# Altium PCB USB_DAQ.PcbDoc (part 1 of 2)
Units mm, origin at the board's own origin, x right, y up, seen from the top; angles counter-clockwise.
Board outline 56.61 x 82.66 mm, 2 copper layers (Top Layer, Bottom Layer), stack 1.571 mm thick; 167 components, 107 nets, 512 pads, 180 vias.
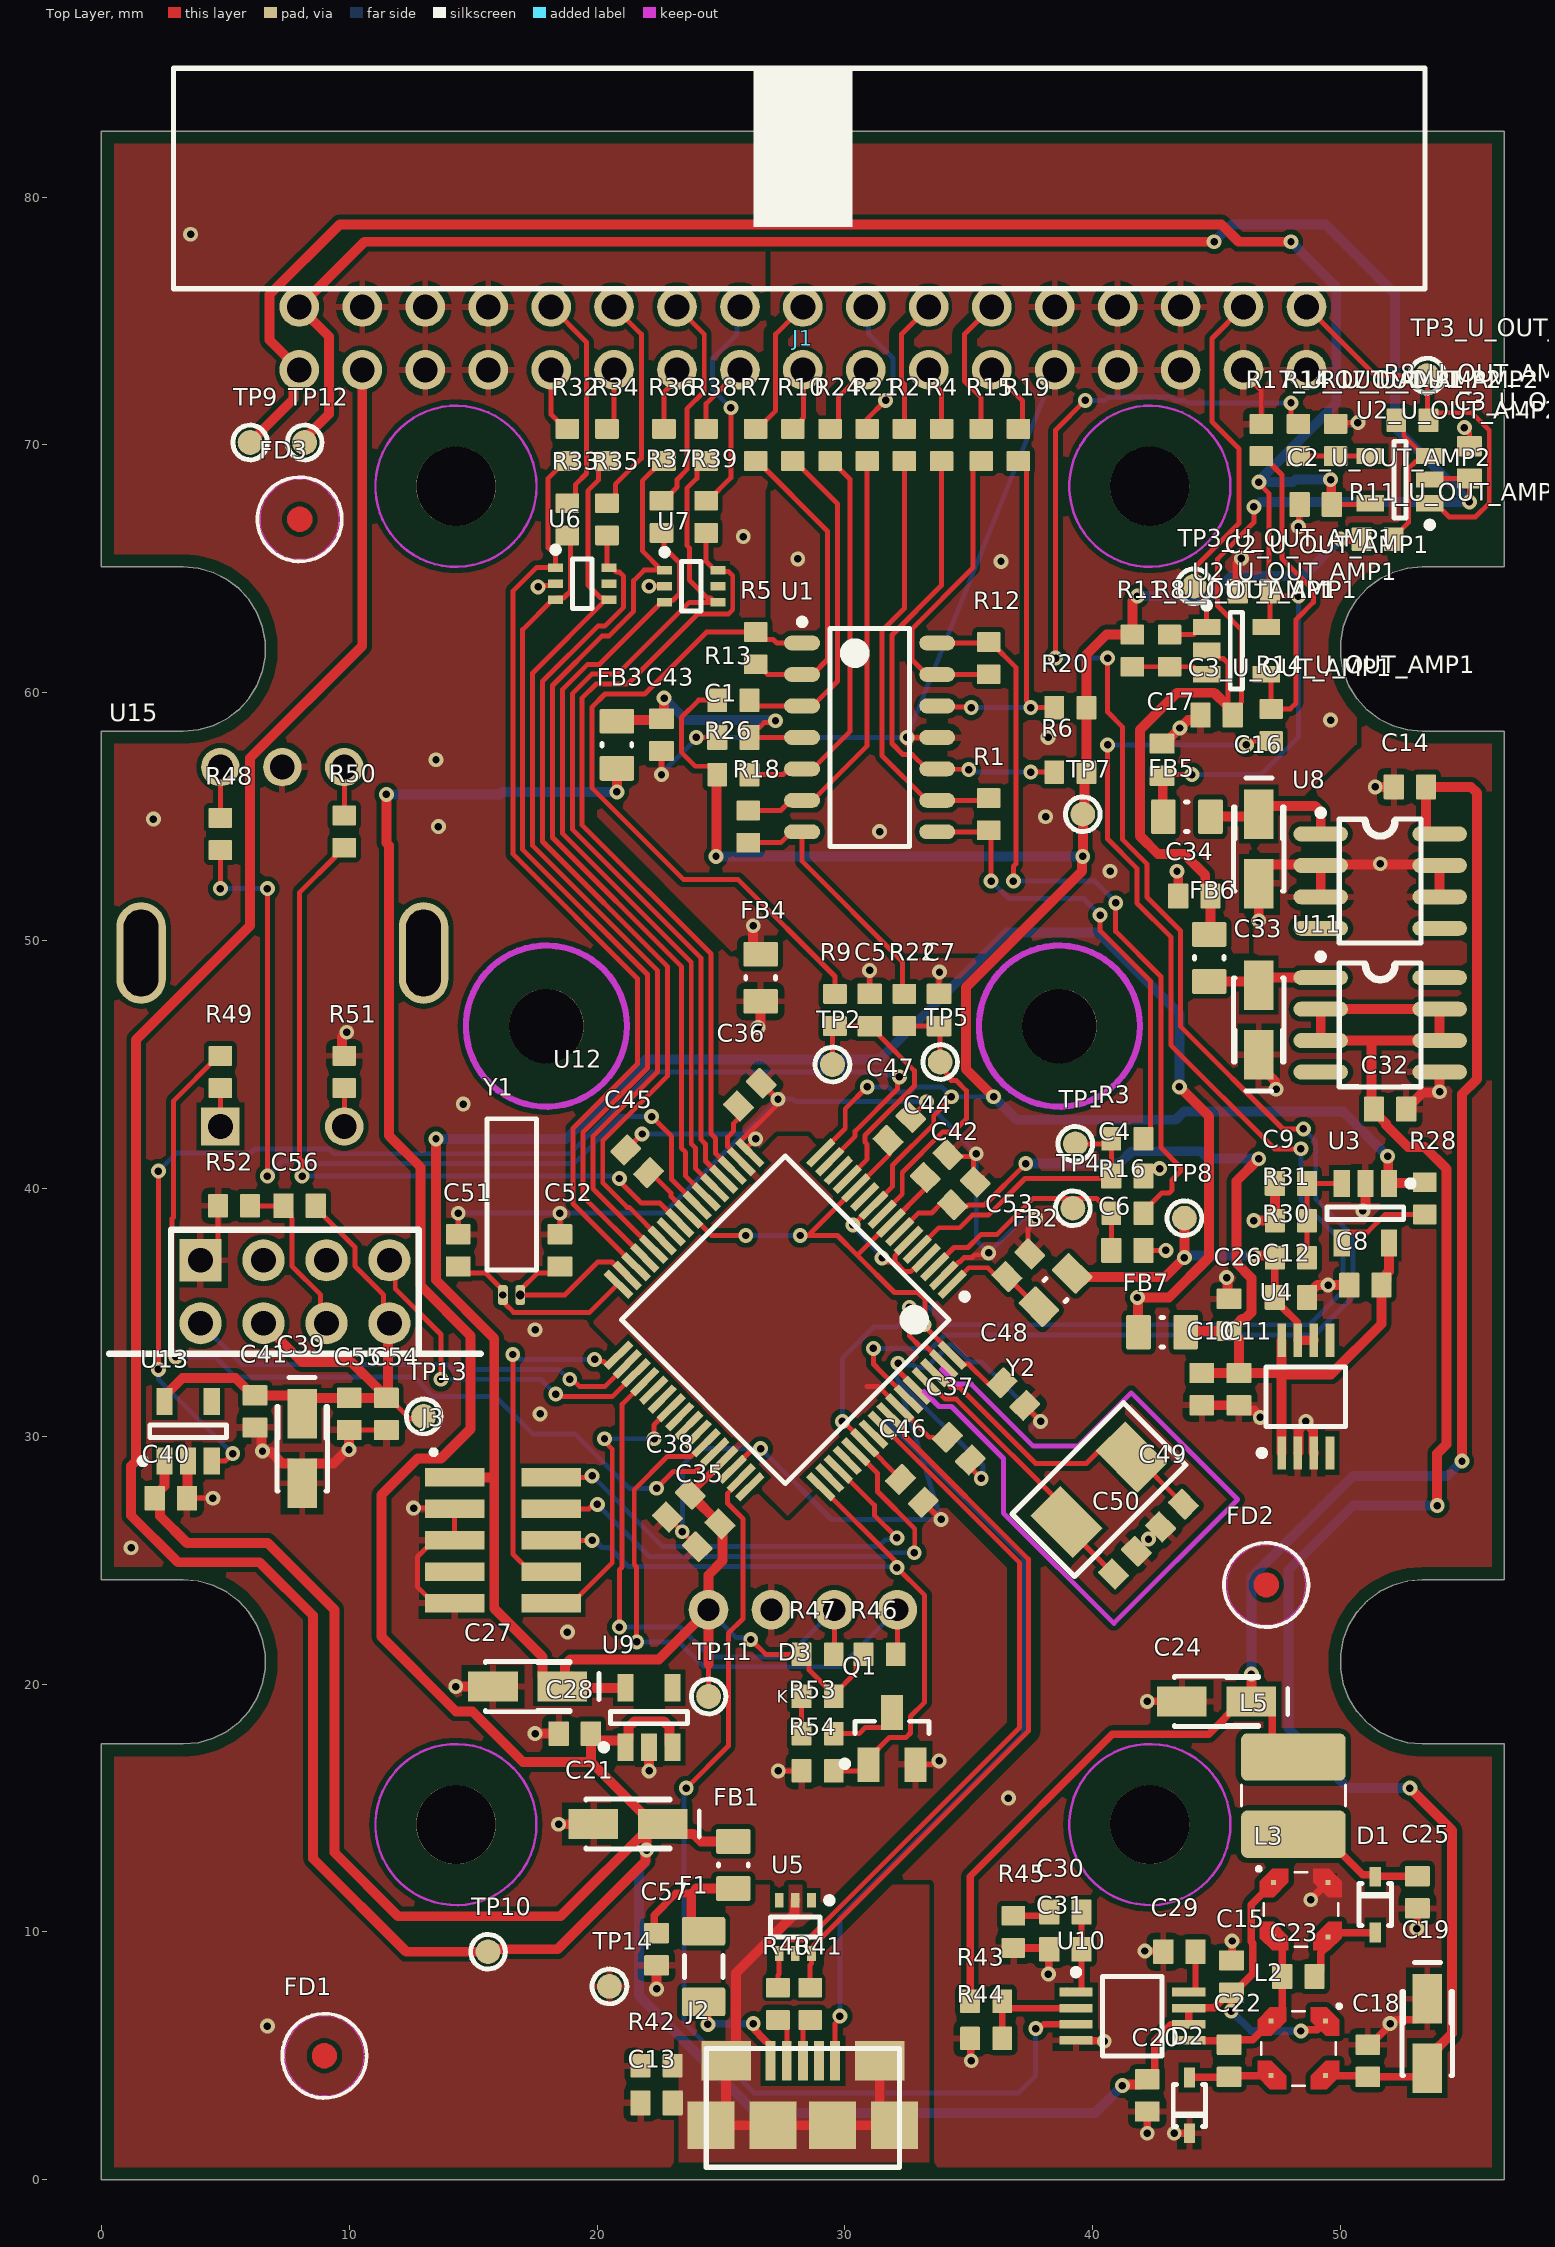
[diagram p0: Top Layer view]
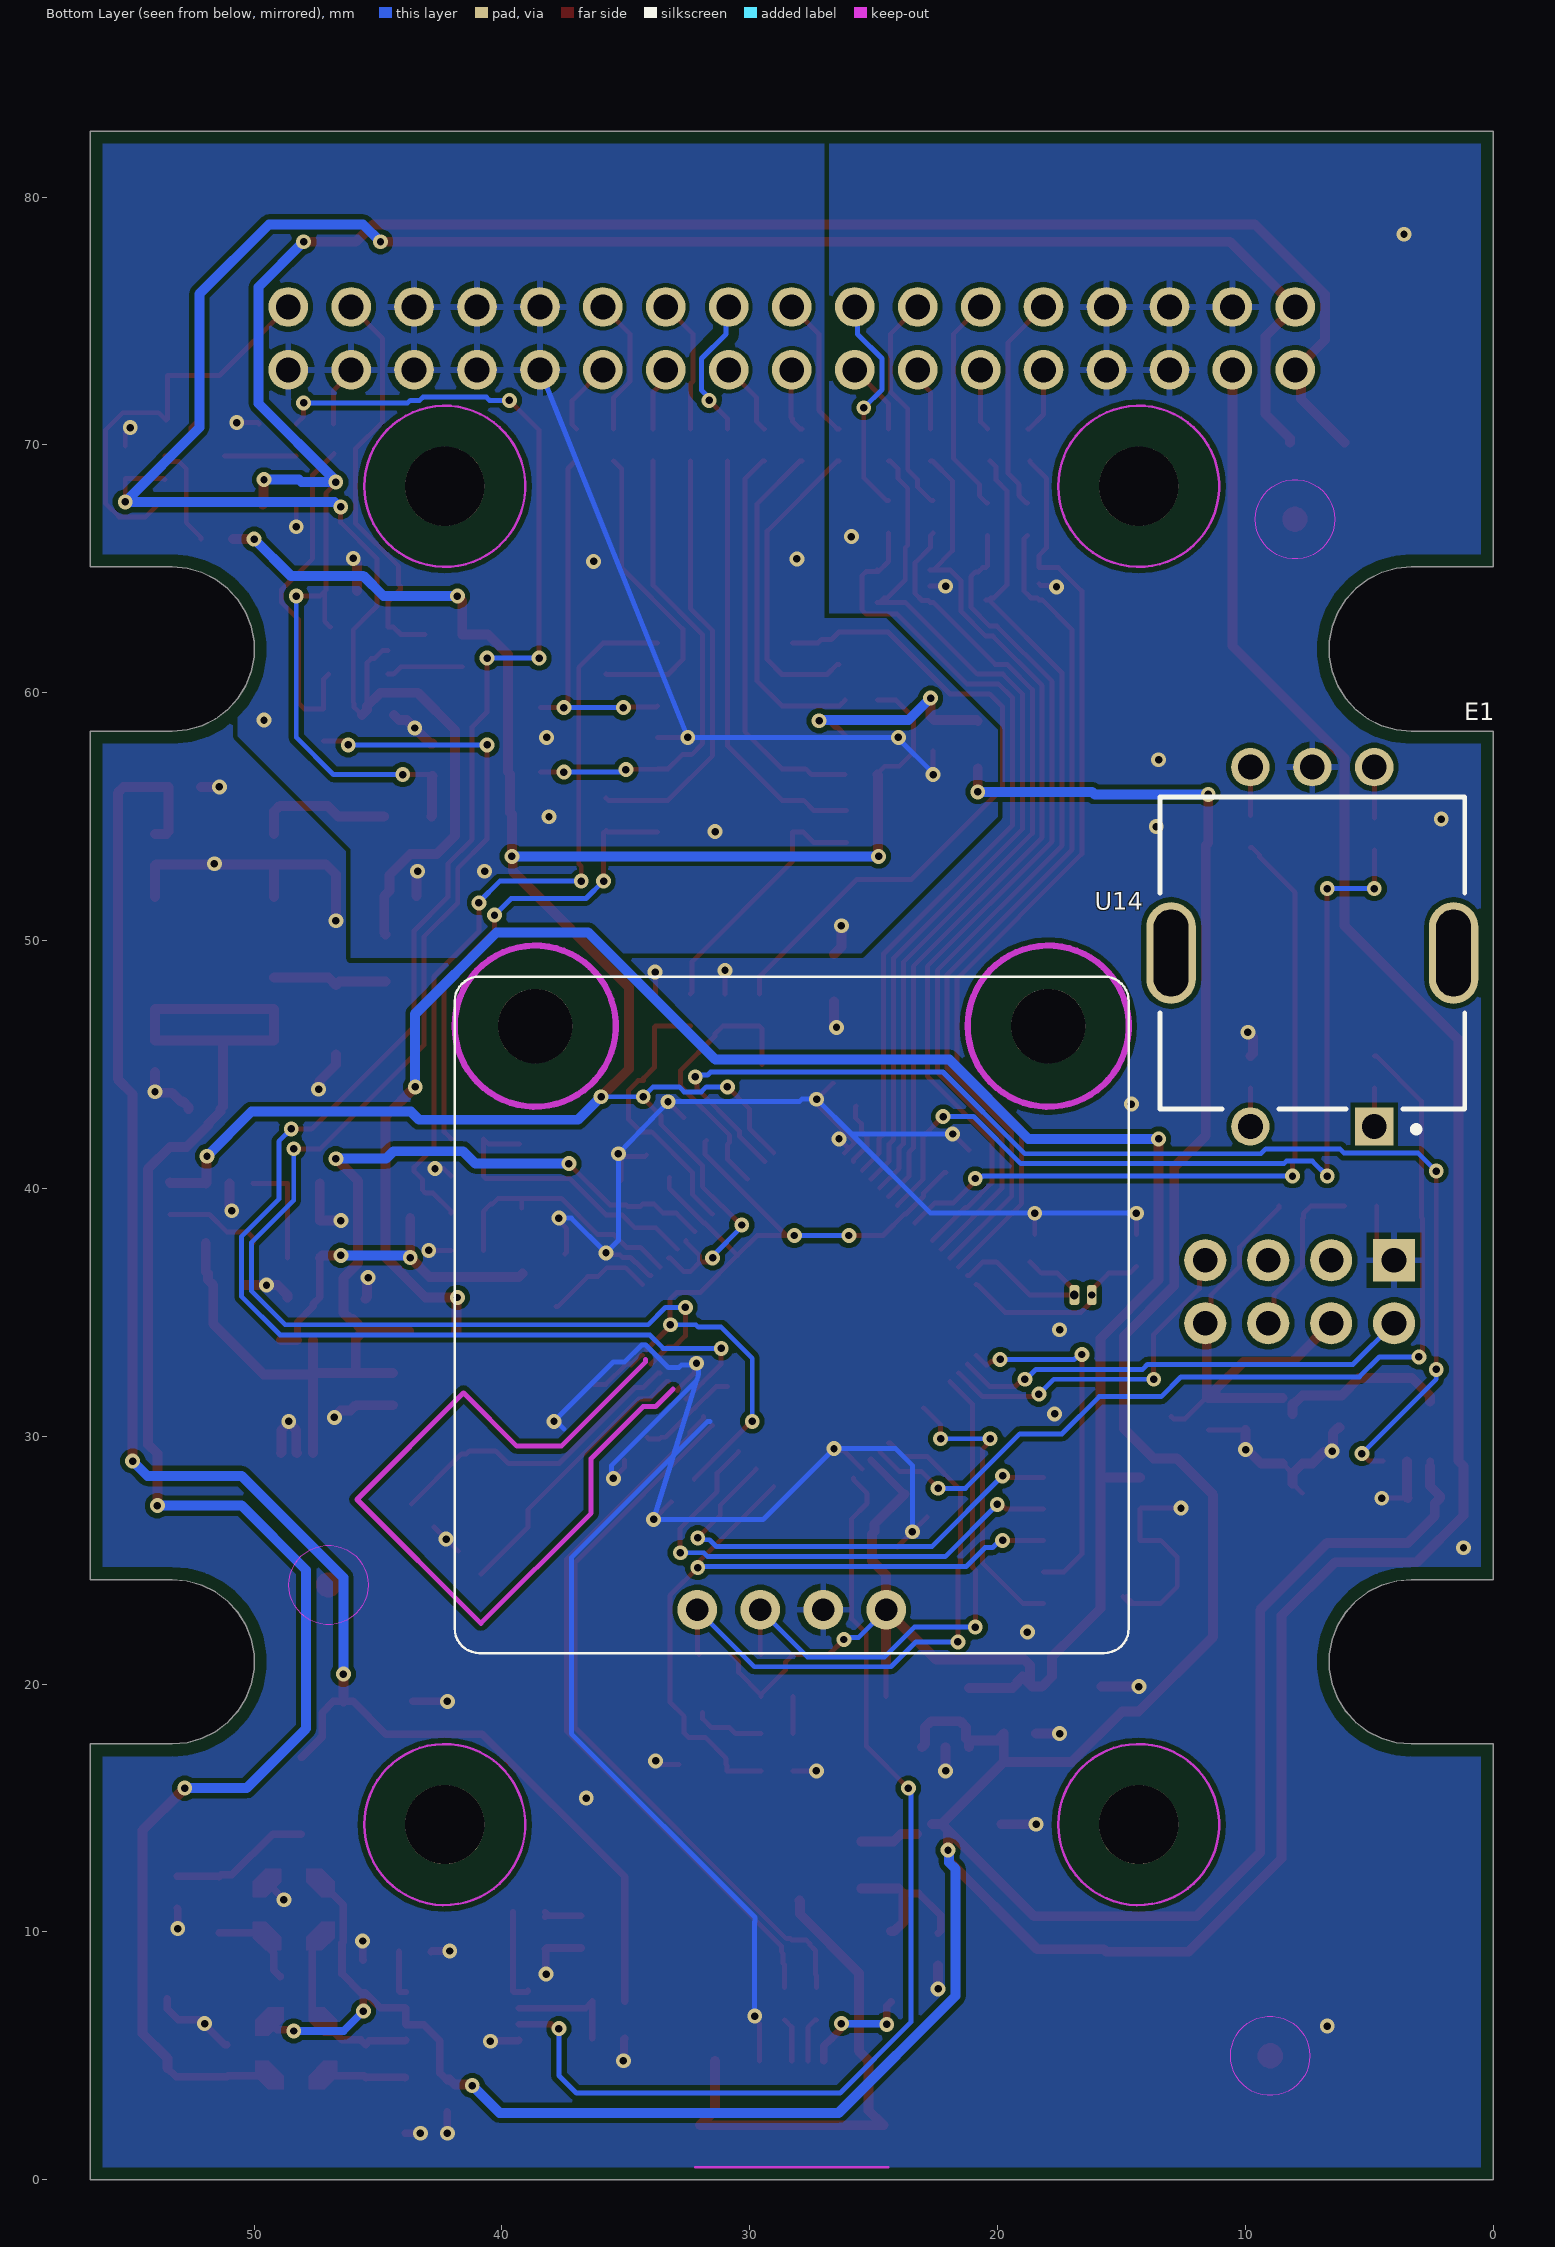
[diagram p1: Bottom Layer view, seen from below]

## Layer stack, top to bottom
Top Solder: solder mask 0.0102, Solder Resist, Dk 3.5
Top Layer: signal copper 0.0356
Dielectric 1: dielectric 1.5, FR-4, Dk 4.8
Bottom Layer: signal copper 0.0356
Bottom Solder: solder mask 0.0102, Solder Resist, Dk 3.5

## Board outline
56.611,82.662 0,82.662 0,65.078 3.306,65.078 3.915,65.022 4.504,64.854 5.051,64.581 5.54,64.213 5.952,63.76 6.274,63.24 6.495,62.669 6.608,62.068 6.608,61.456 6.495,60.854 6.274,60.284 5.952,59.764 5.54,59.311 5.051,58.943 4.504,58.67 3.915,58.502 3.306,58.446 0,58.446 0,24.216 3.306,24.216 3.915,24.16 4.504,23.992 5.051,23.719 5.54,23.351 5.952,22.898 6.274,22.378 6.495,21.807 6.608,21.206 6.608,20.594 6.495,19.993 6.274,19.422 5.952,18.902 5.54,18.449 5.051,18.081 4.504,17.808 3.915,17.64 3.306,17.584 0,17.584 0,0 56.611,0 56.611,17.584 53.306,17.584 52.696,17.64 52.108,17.808 51.56,18.081 51.072,18.449 50.659,18.902 50.337,19.422 50.116,19.993 50.004,20.594 50.004,21.206 50.116,21.807 50.337,22.378 50.659,22.898 51.072,23.351 51.56,23.719 52.108,23.992 52.696,24.16 53.306,24.216 56.611,24.216 56.611,58.446 53.306,58.446 52.696,58.502 52.108,58.67 51.56,58.943 51.072,59.311 50.659,59.764 50.337,60.284 50.116,60.854 50.004,61.456 50.004,62.068 50.116,62.669 50.337,63.24 50.659,63.76 51.072,64.213 51.56,64.581 52.108,64.854 52.696,65.022 53.306,65.078 56.611,65.078

## Design rules (kind name [scope] priority, off if disabled: settings)
BoardOutlineClearance [All] p1: gap=0.5 ignorepadtopadclearanceinfootprint=FALSE
Clearance Clearance_USB [(InDifferentialPairClass('All Differential Pairs'))] p1: gap=0.15 ignorepadtopadclearanceinfootprint=FALSE except(0.4: Track-Poly)
Clearance [All] p2: gap=0.2 ignorepadtopadclearanceinfootprint=FALSE
ComponentClearance ComponentClearance_OLED_Encoder_Bottom_plate [(Identifier = '1593L Bottom') vs InComponent('E1') OR InComponent('U14')] p1: gap=0 collisioncheckmode=3 verticalgap=0 showdistances=FALSE
ComponentClearance ComponentClearance_Connectors_Endplates [(Identifier = '1593L Endplate') vs InComponent('J1') or InComponent('J2')] p2: gap=0 collisioncheckmode=3 verticalgap=0 showdistances=FALSE
ComponentClearance ComponentClearance_Enclosure_parts [(Identifier = '1593L Endplate') OR (Identifier = '1593L Bottom') OR (Identifier = '1593L Top') OR (Identifier = '1593L PCB') vs (Identifier = '1593L Endplate') OR (Identifier = '1593L Bottom') OR (Identifier = '1593L Top') OR (Identifier = '1593L PCB')] p3: gap=0 collisioncheckmode=3 verticalgap=0 showdistances=FALSE
ComponentClearance [All] p4: gap=0.254 collisioncheckmode=3 verticalgap=0.254 showdistances=FALSE
DiffPairsRouting [All] p1: maxlimit=0.305 minlimit=0.15 mostfreqgap=0.15 toplayer_minwidth=0.2 toplayer_maxwidth=0.4 toplayer_prefwidth=0.2 bottomlayer_minwidth=0.2 bottomlayer_maxwidth=0.4 bottomlayer_prefwidth=0.2 maxuncoupledlength=15
HoleSize [All] p1: absolutevalues=TRUE maxlimit=3.6 minlimit=0.025 maxpercent=80.000 minpercent=20.000
MatchedLengths MatchedLengths_USB [InDifferentialPair('USB')] p1: tolerance=1 checknetsindiffpair=TRUE checkdiffpairvsdiffpair=FALSE checkxsignals=FALSE checkothers=FALSE
MinimumSolderMaskSliver [All] p1: minsoldermaskwidth=0.1
PolygonConnect PolygonConnect_SHLD [InNet('SHLD')] p1: connectstyle=Direct reliefconductorwidth=0.254 reliefentries=4 polygonreliefangle="90 Angle" airgapwidth=0.254
PolygonConnect [All] p2: thpad.connectstyle=Relief thpad.reliefconductorwidth=0.254 thpad.reliefentries=4 thpad.polygonreliefangle="90 Angle" thpad.airgapwidth=0.254 smdpad.connectstyle=Relief smdpad.reliefconductorwidth=0.254 smdpad.reliefentries=4 smdpad.polygonreliefangle="90 Angle" smdpad.airgapwidth=0.254 via.connectstyle=Direct via.reliefconductorwidth=0.254 via.reliefentries=4 via.polygonreliefangle="90 Angle" via.airgapwidth=0.254
RoutingVias [All] p1: holewidth=0.3 width=0.6 viastyle="Through Hole" minholewidth=0.3 minwidth=0.6 maxholewidth=1.2 maxwidth=0.8
SolderMaskExpansion SolderMaskExpansion_via [IsVia] p1: expansion=0.102 istentingtop=TRUE
SolderMaskExpansion [All] p2: expansion=0.05 istentingtop=FALSE
Width [All] p1: maxlimit=2.54 minlimit=0.2 preferedwidth=0.2
26 further rules are at their usual default settings.

## Classes and differential pairs
channel class Output_amplifier: U_OUT_AMP1 U_OUT_AMP2
net class PIO[0..7]: PIO0 PIO1 PIO2 PIO3 PIO4 PIO5 PIO6 PIO7
net class ANALOG: OUT1_P OUT2_P OUT3_P OUT4_P VREF/2
component class U_VREF: C8 C9 C10 C11 C12 R28 R30 R31 TP7 TP8 U3 U4
component class U_USB: C13 C21 C57 F1 FB1 J2 R40 R41 R42 TP10 U5
component class U_uC: C35 C36 C37 C38 C42 C43 C44 C45 C46 C47 C48 C49 C50 C51 C52 C53 FB2 FB3 FB4 J3 R46 R47 TP14 U12 Y1 Y2
component class U_PS: C14 C15 C16 C17 C18 C19 C20 C22 C23 C24 C25 C26 C27 C28 C29 C30 C31 C32 C33 C34 C39 C40 C41 D1 D2 FB5 FB6 FB7 L2 L3 L5 R43 R44 R45 TP9 TP11 TP12 TP13 U8 U9 U10 U11 U13
component class U_OUT_AMP2: C2_U_OUT_AMP2 C3_U_OUT_AMP2 R8_U_OUT_AMP2 R11_U_OUT_AMP2 R14_U_OUT_AMP2 R17_U_OUT_AMP2 TP3_U_OUT_AMP2 U2_U_OUT_AMP2
component class U_OUT_AMP1: C2_U_OUT_AMP1 C3_U_OUT_AMP1 R8_U_OUT_AMP1 R11_U_OUT_AMP1 R14_U_OUT_AMP1 R17_U_OUT_AMP1 TP3_U_OUT_AMP1 U2_U_OUT_AMP1
component class U_INTFC: C54 C55 C56 D3 E1 Q1 R48 R49 R50 R51 R52 R53 R54 U14 U15
component class U_IN_AMP: C1 C4 C5 C6 C7 R1 R2 R3 R4 R5 R6 R7 R9 R10 R12 R13 R15 R16 R18 R19 R20 R21 R22 R24 R26 TP1 TP2 TP4 TP5 U1
component class U_DAQ_IO: J1 R32 R33 R34 R35 R36 R37 R38 R39 U6 U7
component class DAQ_REV_B: FD1 FD2 FD3
differential pair USB: +USB_P -USB_N
differential pair IN4: +IN4_P -IN4_N
differential pair IN3: +IN3_P -IN3_N
differential pair IN2: +IN2_P -IN2_N
differential pair IN1: +IN1_P -IN1_N

## Components (designator, comment, footprint, x,y, rotation, side; value= is the part's Value field where it differs from the comment)
C1 "100n" C_0603 25.5,58.2 r0 top
C2_U_OUT_AMP1 "100n" C_0603 46.5,64.1 r180 top (schematic designator C2)
C2_U_OUT_AMP2 "100n" C_0603 49,67.6 r180 top (schematic designator C2)
C3_U_OUT_AMP1 "100n" C_0603 45,59.1 r180 top (schematic designator C3)
C3_U_OUT_AMP2 "100n" C_0603 55.2,69.3 r90 top (schematic designator C3)
C4 "1n" C_0603 41.4,40.5 r0 top
C5 "1n" C_0603 31,47.2 r90 top
C6 "1n" C_0603 41.4,37.5 r0 top
C7 "1n" C_0603 33.8,47.2 r90 top
C8 "100n" C_0603 51,36.1 r0 top
C9 "100n" C_0603 48,40.2 r180 top
C10 "1u" C_0603 44.4,31.9 r270 top
C11 "100n" C_0603 45.9,31.9 r270 top
C12 "100n" C_0603 48,35.6 r0 top
C13 "4n7" C_0603 22.4,3.1 r0 top
C14 "2u2" C_0603 52.8,56.2 r180 top
C15 "2u2" C_0603 45.6,8.2 r270 top
C16 "10u" "Tantalum Case A" 46.7,53.7 r270 top
C17 "100n" C_0603 42.8,57.3 r270 top
C18 "1u" C_0603 51.1,4.8 r90 top
C19 "10u" "Tantalum Case A" 53.5,5.9 r270 top
C20 "1u" C_0603 42.2,3.4 r270 top
C21 "4u7" "Tantalum Case A" 21.252,14.354 r180 top
C22 "1u" C_0603 45.5,4.8 r270 top
C23 "1u" C_0603 48.3,8.2 r0 top
C24 "10u" "Tantalum Case A" 45,19.3 r180 top
C25 "1u" C_0603 53.1,11.6 r270 top
C26 "2u2" C_0603 45.5,34.9 r90 top
C27 "10u" "Tantalum Case A" 17.2,19.9 r180 top
C28 "1u" C_0603 19.1,18 r180 top
C29 "47n" C_0603 43.5,9.2 r180 top
C30 "15n" C_0603 38.9,10.8 r180 top
C31 "15p" C_0603 38.9,9.3 r180 top
C32 "2u2" C_0603 52,43.2 r0 top
C33 "10u" "Tantalum Case A" 46.7,46.8 r90 top
C34 "100n" C_0603 44.1,51.8 r0 top
C35 "1u" C_0603 24.5,26 r225 top
C36 "100n" C_0603 26.162,43.784 r45 top
C37 "100n" C_0603 34.6,29.5 r315 top
C38 "100n" C_0603 23.3,27.2 r225 top
C39 "4u7" "Tantalum Case A" 8.1,29.5 r270 top
C40 "1u" C_0603 2.8,27.5 r0 top
C41 "1u" C_0603 6.2,31 r270 top
C42 "100n" C_0603 34.8,39.8 r45 top
C43 "2u2" C_0603 22.6,58.3 r270 top
C44 "2u2" C_0603 33.7,40.9 r45 top
C45 "100n" C_0603 21.615,41.096 r135 top
C46 "100n" C_0603 32.7,27.8 r315 top
C47 "100n" C_0603 32.2,42.4 r45 top
C48 "100n" C_0603 36.8,31.7 r315 top
C49 "18p" C_0603 43.2,26.8 r225 top
C50 "18p" C_0603 41.3,24.9 r45 top
C51 "10p" C_0603 14.4,37.5 r90 top
C52 "10p" C_0603 18.5,37.5 r90 top
C53 "1u" C_0603 37,36.9 r45 top
C54 "100n" C_0603 11.5,30.9 r90 top
C55 "2u2" C_0603 10,30.9 r90 top
C56 "1u" C_0603 8,39.3 r0 top
C57 "10n" C_0603 22.4,9.3 r270 top
D1 "PMEG2020" SOD323 51.4,11.1 r90 top
D2 "PMEG2020" SOD323 43.9,3 r270 top
D3 "LED Green" LED_0603 28.9,19.5 r0 top
E1 "PEC11L-4220F-S0015" PEC11L-4220F-S0015 7.3,49.5 r0 bottom locked
F1 "250mA" "PPTCF 1206" 24.3,8.6 r90 top
FB1 "120Ω @ 100MHz" SMD_0805 25.5,12.7 r90 top
FB2 "120Ω @ 100MHz" SMD_0805 38.5,35.9 r45 top
FB3 "120Ω @ 100MHz" SMD_0805 20.8,57.9 r90 top
FB4 "120Ω @ 100MHz" SMD_0805 26.6,48.5 r90 top
FB5 "120Ω @ 100MHz" SMD_0805 43.8,55 r180 top
FB6 "120Ω @ 100MHz" SMD_0805 44.7,49.3 r90 top
FB7 "120Ω @ 100MHz" SMD_0805 42.8,34.2 r0 top
FD1 "Fiducial 1mm" FID1 9,5 r0 top
FD2 "Fiducial 1mm" FID1 47,24 r0 top
FD3 "Fiducial 1mm" FID1 8,67 r0 top
J1 "2X17" IDC34R 28.306,74.3 r0 top locked
J2 "micro USB B" MICRO_USB_A 28.306,3.5 r0 top locked
J3 "M50-3600542" HEADER_2X05_1.27mm 16.2,25.8 r270 top
L2 "LPD3015-153" LPD3015 48.3,5.3 r270 top value=15µH
L3 "LPD3015-153" LPD3015 48.4,10.9 r0 top value=15µH
L5 "10u" IND_SMD_4X4mm 48.1,15.5 r90 top value=10µH
Q1 "2N7002" SOT23-3 31.9,17.8 r0 top
R1 "120k" R_0603 35.8,55.1 r270 top
R2 "1M" R_0603 32.4,70 r270 top
R3 "470R" R_0603 41.4,42 r180 top
R4 "1M" R_0603 33.9,70 r270 top
R5 "120k" R_0603 26.4,61.8 r90 top
R6 "120k" R_0603 39.1,56.8 r180 top
R7 "1M" R_0603 26.4,70 r270 top
R8_U_OUT_AMP1 "24k" R_0603 43.1,61.7 r90 top (schematic designator R8)
R8_U_OUT_AMP2 "24k" R_0603 52.9,71 r0 top (schematic designator R8)
R9 "470R" R_0603 29.6,47.2 r270 top
R10 "1M" R_0603 27.9,70 r270 top
R11_U_OUT_AMP1 "2k" R_0603 41.6,61.7 r270 top (schematic designator R11)
R11_U_OUT_AMP2 "2k" R_0603 51.5,66.2 r0 top (schematic designator R11)
R12 "120k" R_0603 35.8,61.4 r90 top
R13 "120k" R_0603 25.5,59.7 r0 top
R14_U_OUT_AMP1 "2k" R_0603 47.2,58.7 r90 top (schematic designator R14)
R14_U_OUT_AMP2 "2k" R_0603 48.3,70.2 r270 top (schematic designator R14)
R15 "1M" R_0603 35.5,70 r270 top
R16 "470R" R_0603 41.4,39 r180 top
R17_U_OUT_AMP1 "24k" R_0603 46.8,70.2 r270 top (schematic designator R17)
R17_U_OUT_AMP2 "24k" R_0603 49.8,70.2 r270 top (schematic designator R17)
R18 "120k" R_0603 26.1,54.6 r270 top
R19 "1M" R_0603 37,70 r270 top
R20 "120k" R_0603 39.1,59.4 r180 top
R21 "1M" R_0603 30.9,70 r270 top
R22 "470R" R_0603 32.4,47.2 r270 top
R24 "1M" R_0603 29.4,70 r270 top
R26 "120k" R_0603 25.5,56.7 r0 top
R28 "75R" R_0603 53.4,39.6 r90 top
R30 "75k" R_0603 48,37.2 r180 top
R31 "75k" R_0603 48,38.7 r0 top
R32 "100R" R_0603 18.8,70 r90 top
R33 "100R" R_0603 18.8,67 r270 top
R34 "100R" R_0603 20.4,70 r90 top
R35 "100R" R_0603 20.4,67 r270 top
R36 "100R" R_0603 22.7,70 r90 top
R37 "100R" R_0603 22.6,67.1 r270 top
R38 "100R" R_0603 24.4,70 r90 top
R39 "100R" R_0603 24.4,67.1 r270 top
R40 "27R" R_0603 27.3,7.1 r90 top